# Altium PCB sla2216.PcbDoc (part 1 of 3)
Units mm, origin at the board's own origin, x right, y up, seen from the top; angles counter-clockwise.
Board outline 100 x 43.96 mm, 4 copper layers (Top Copper, Ground, Power, Bottom Copper), stack 1.57 mm thick; 249 components, 170 nets, 887 pads, 884 vias.
Unrouted connection lines stored in the file: 6.
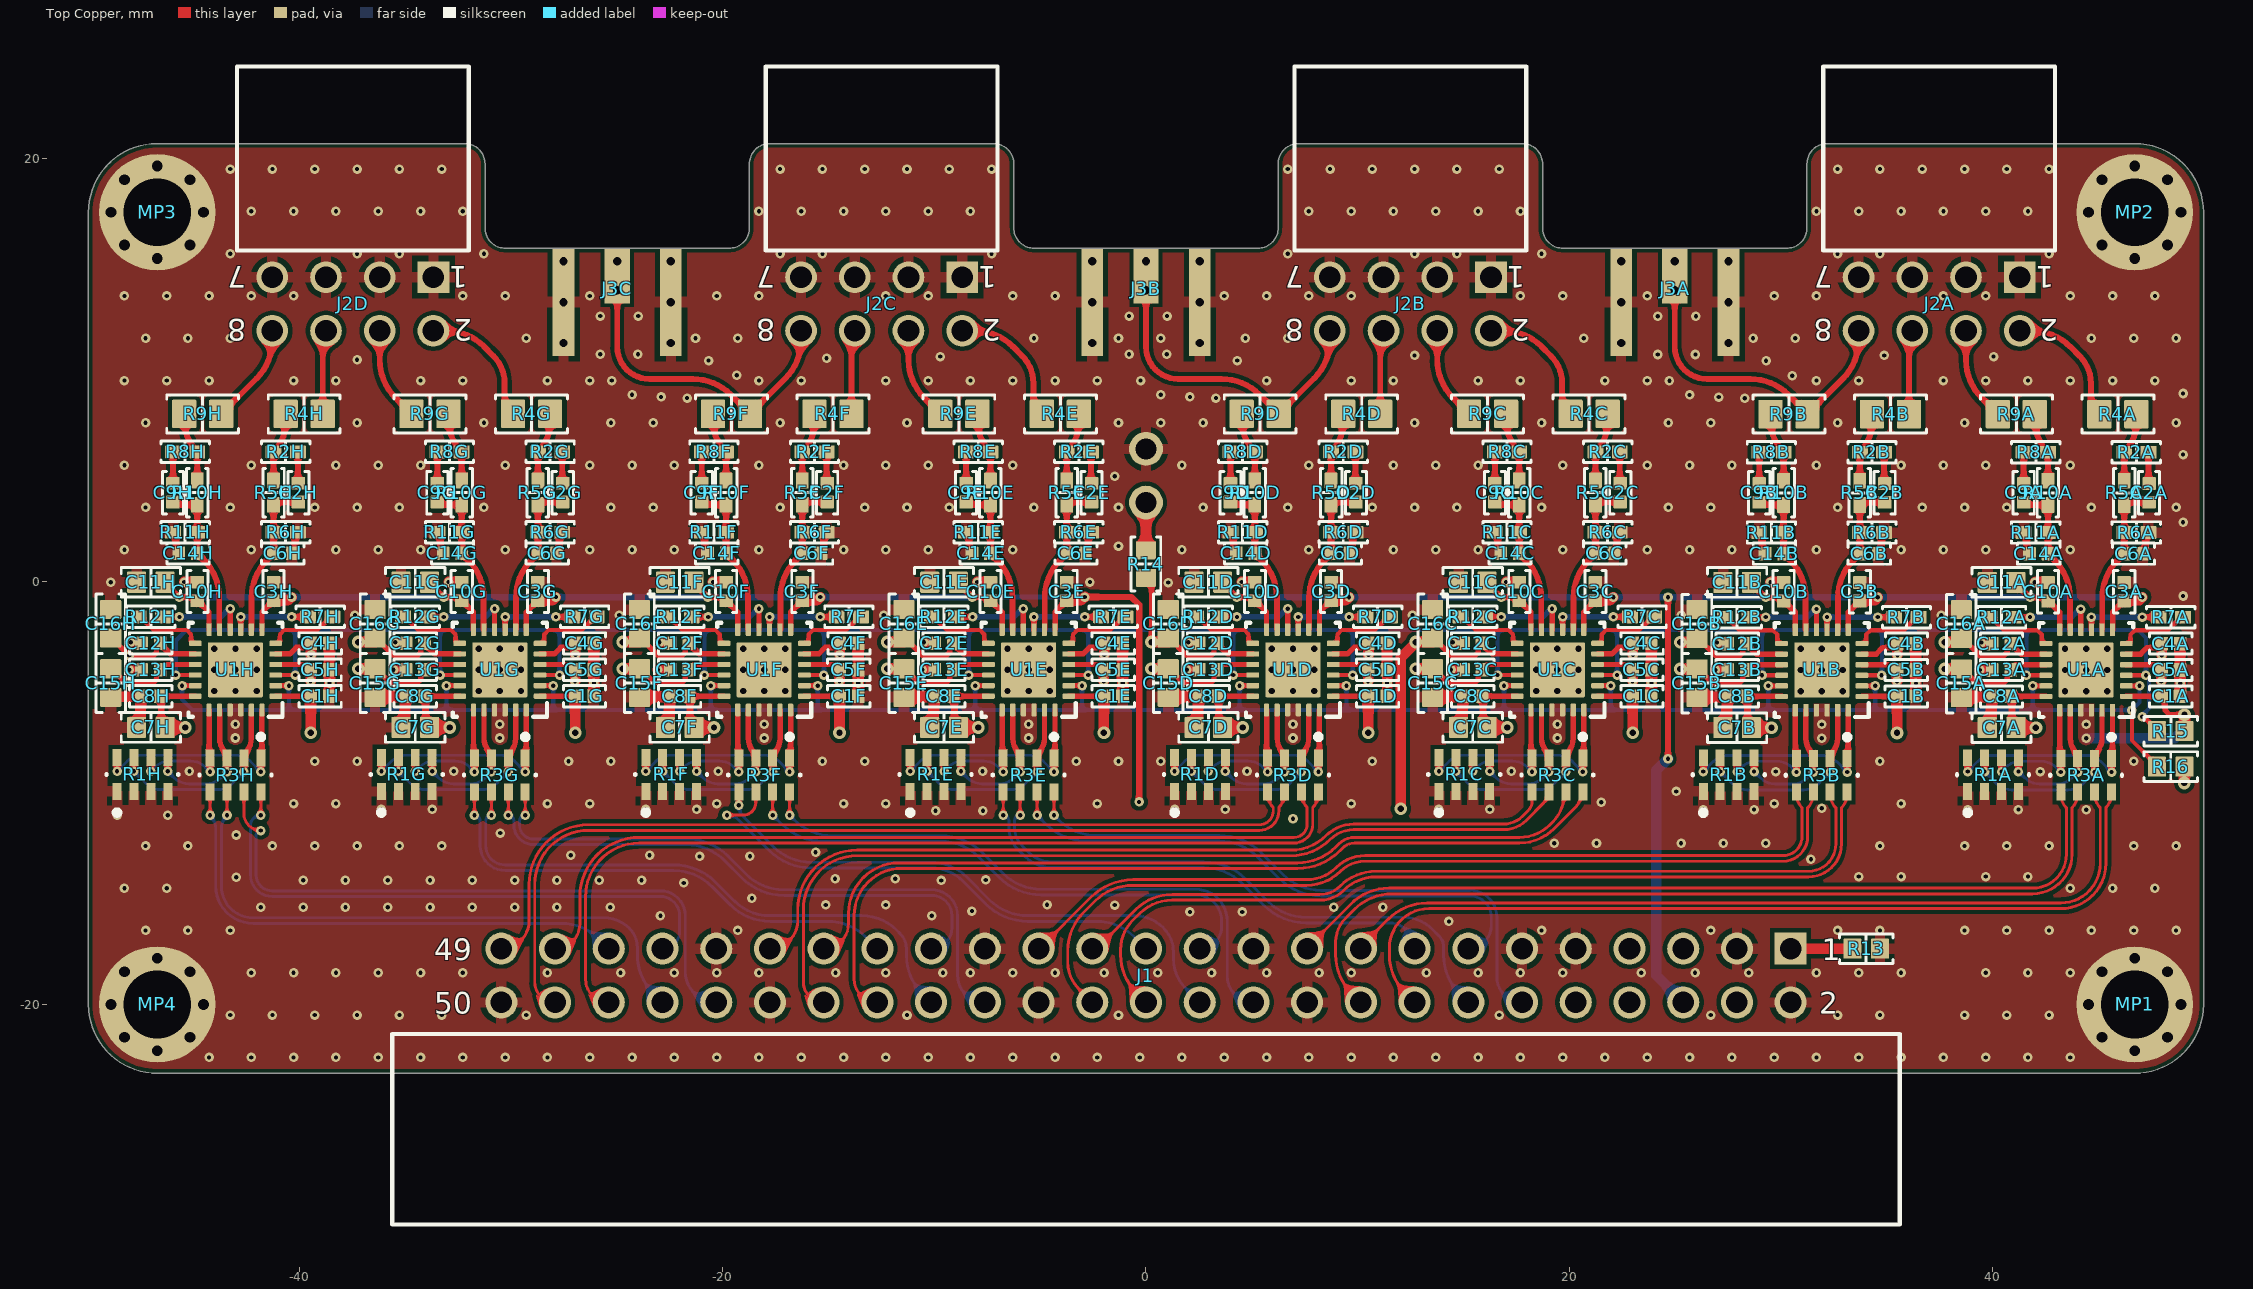
[diagram p0: Top Copper view]
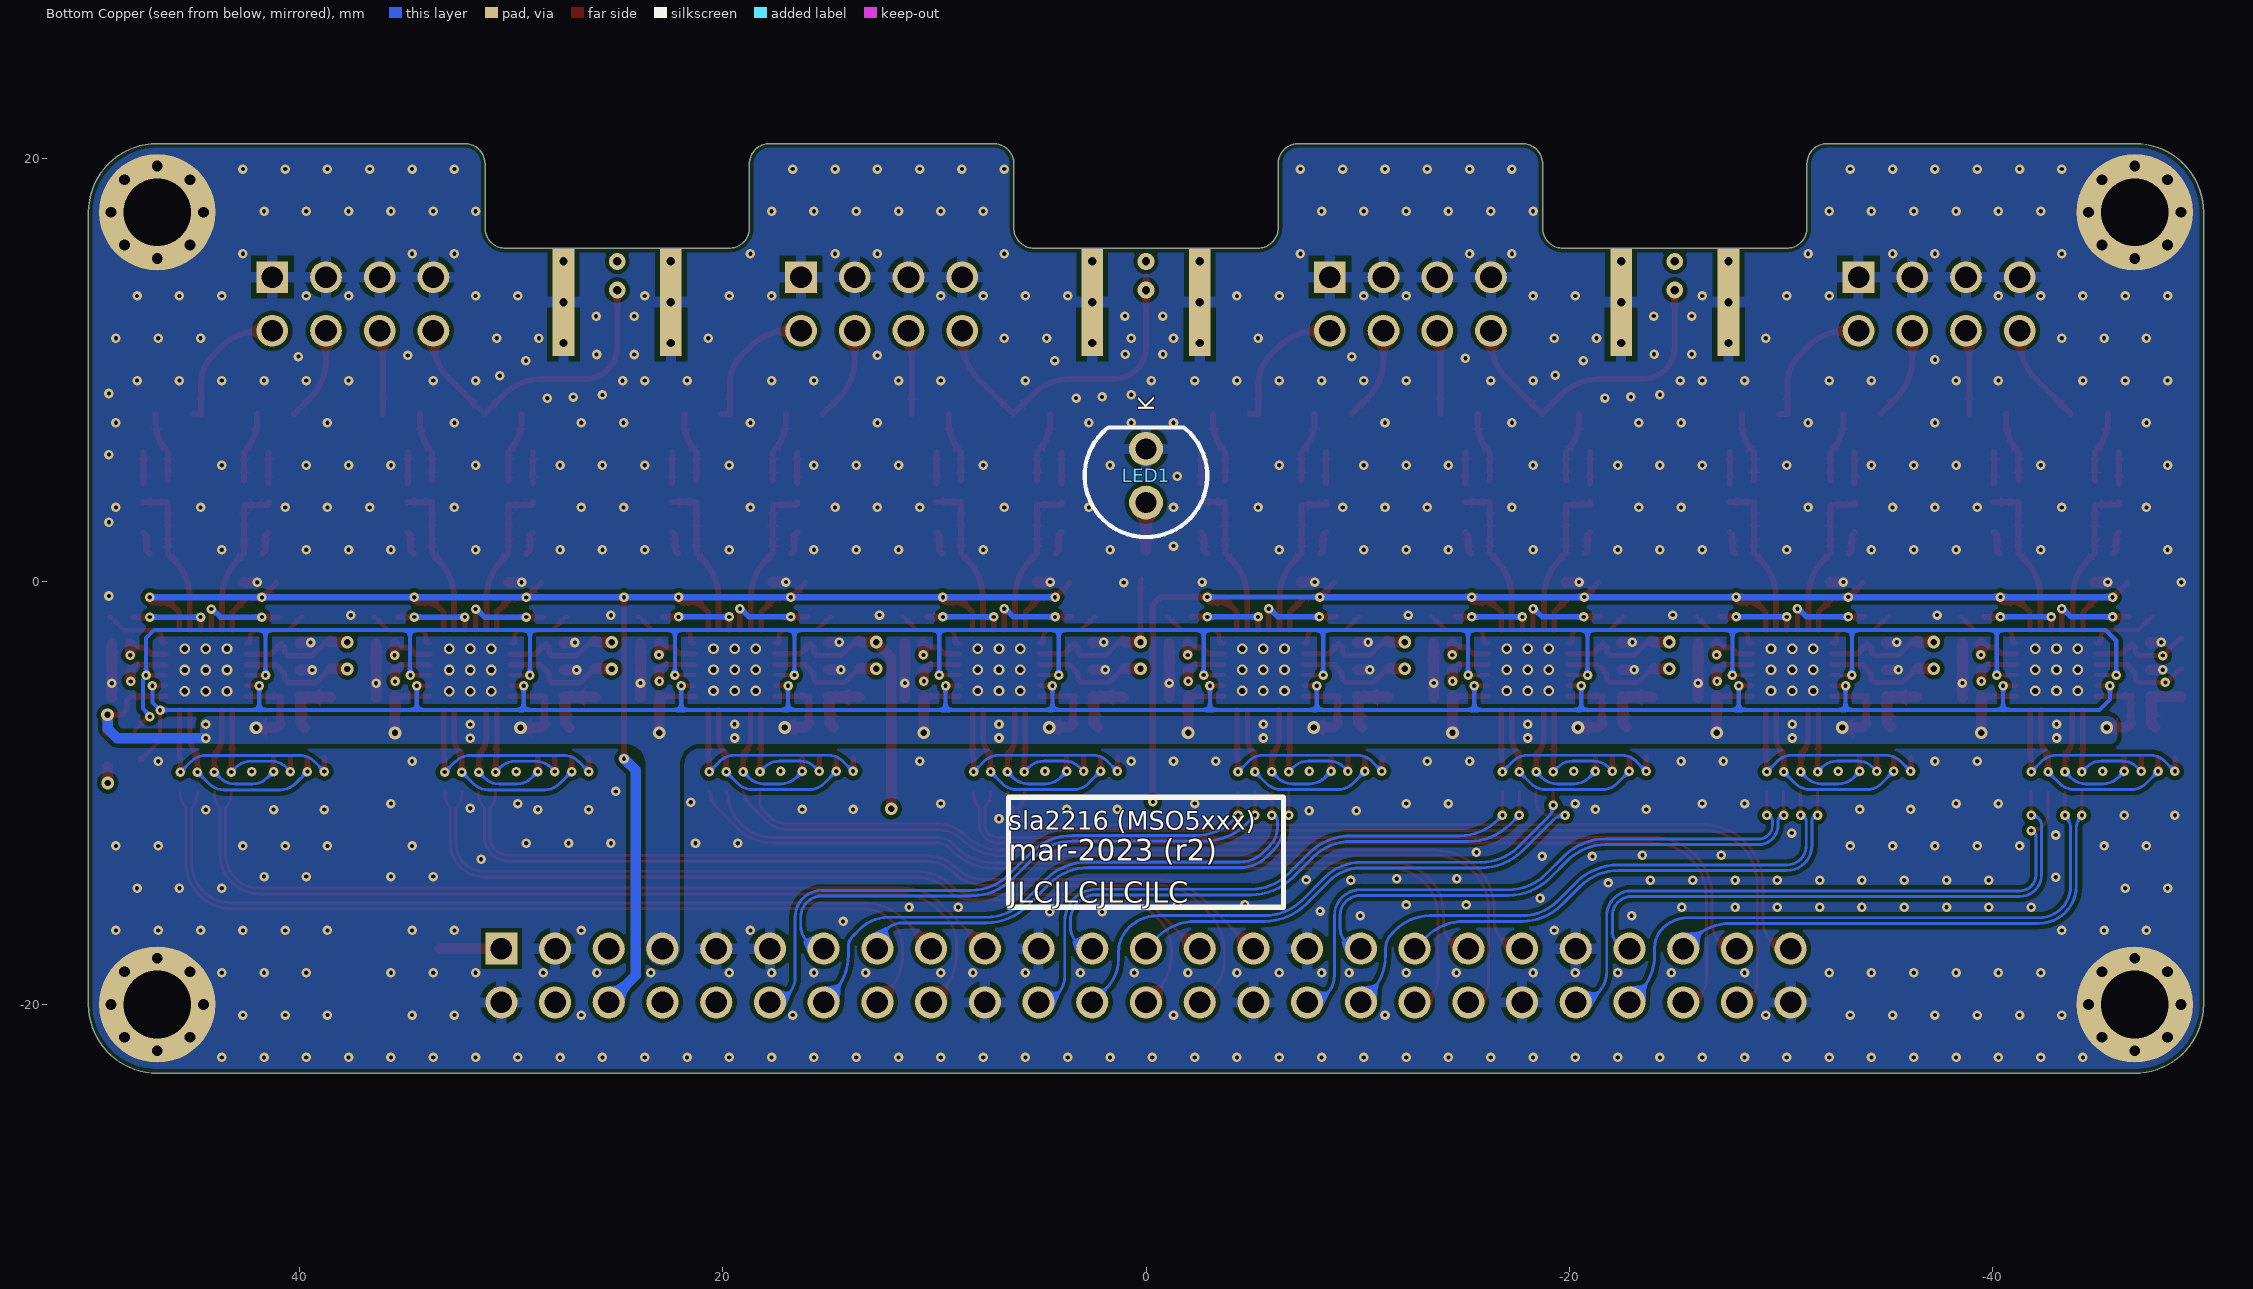
[diagram p1: Bottom Copper view, seen from below]
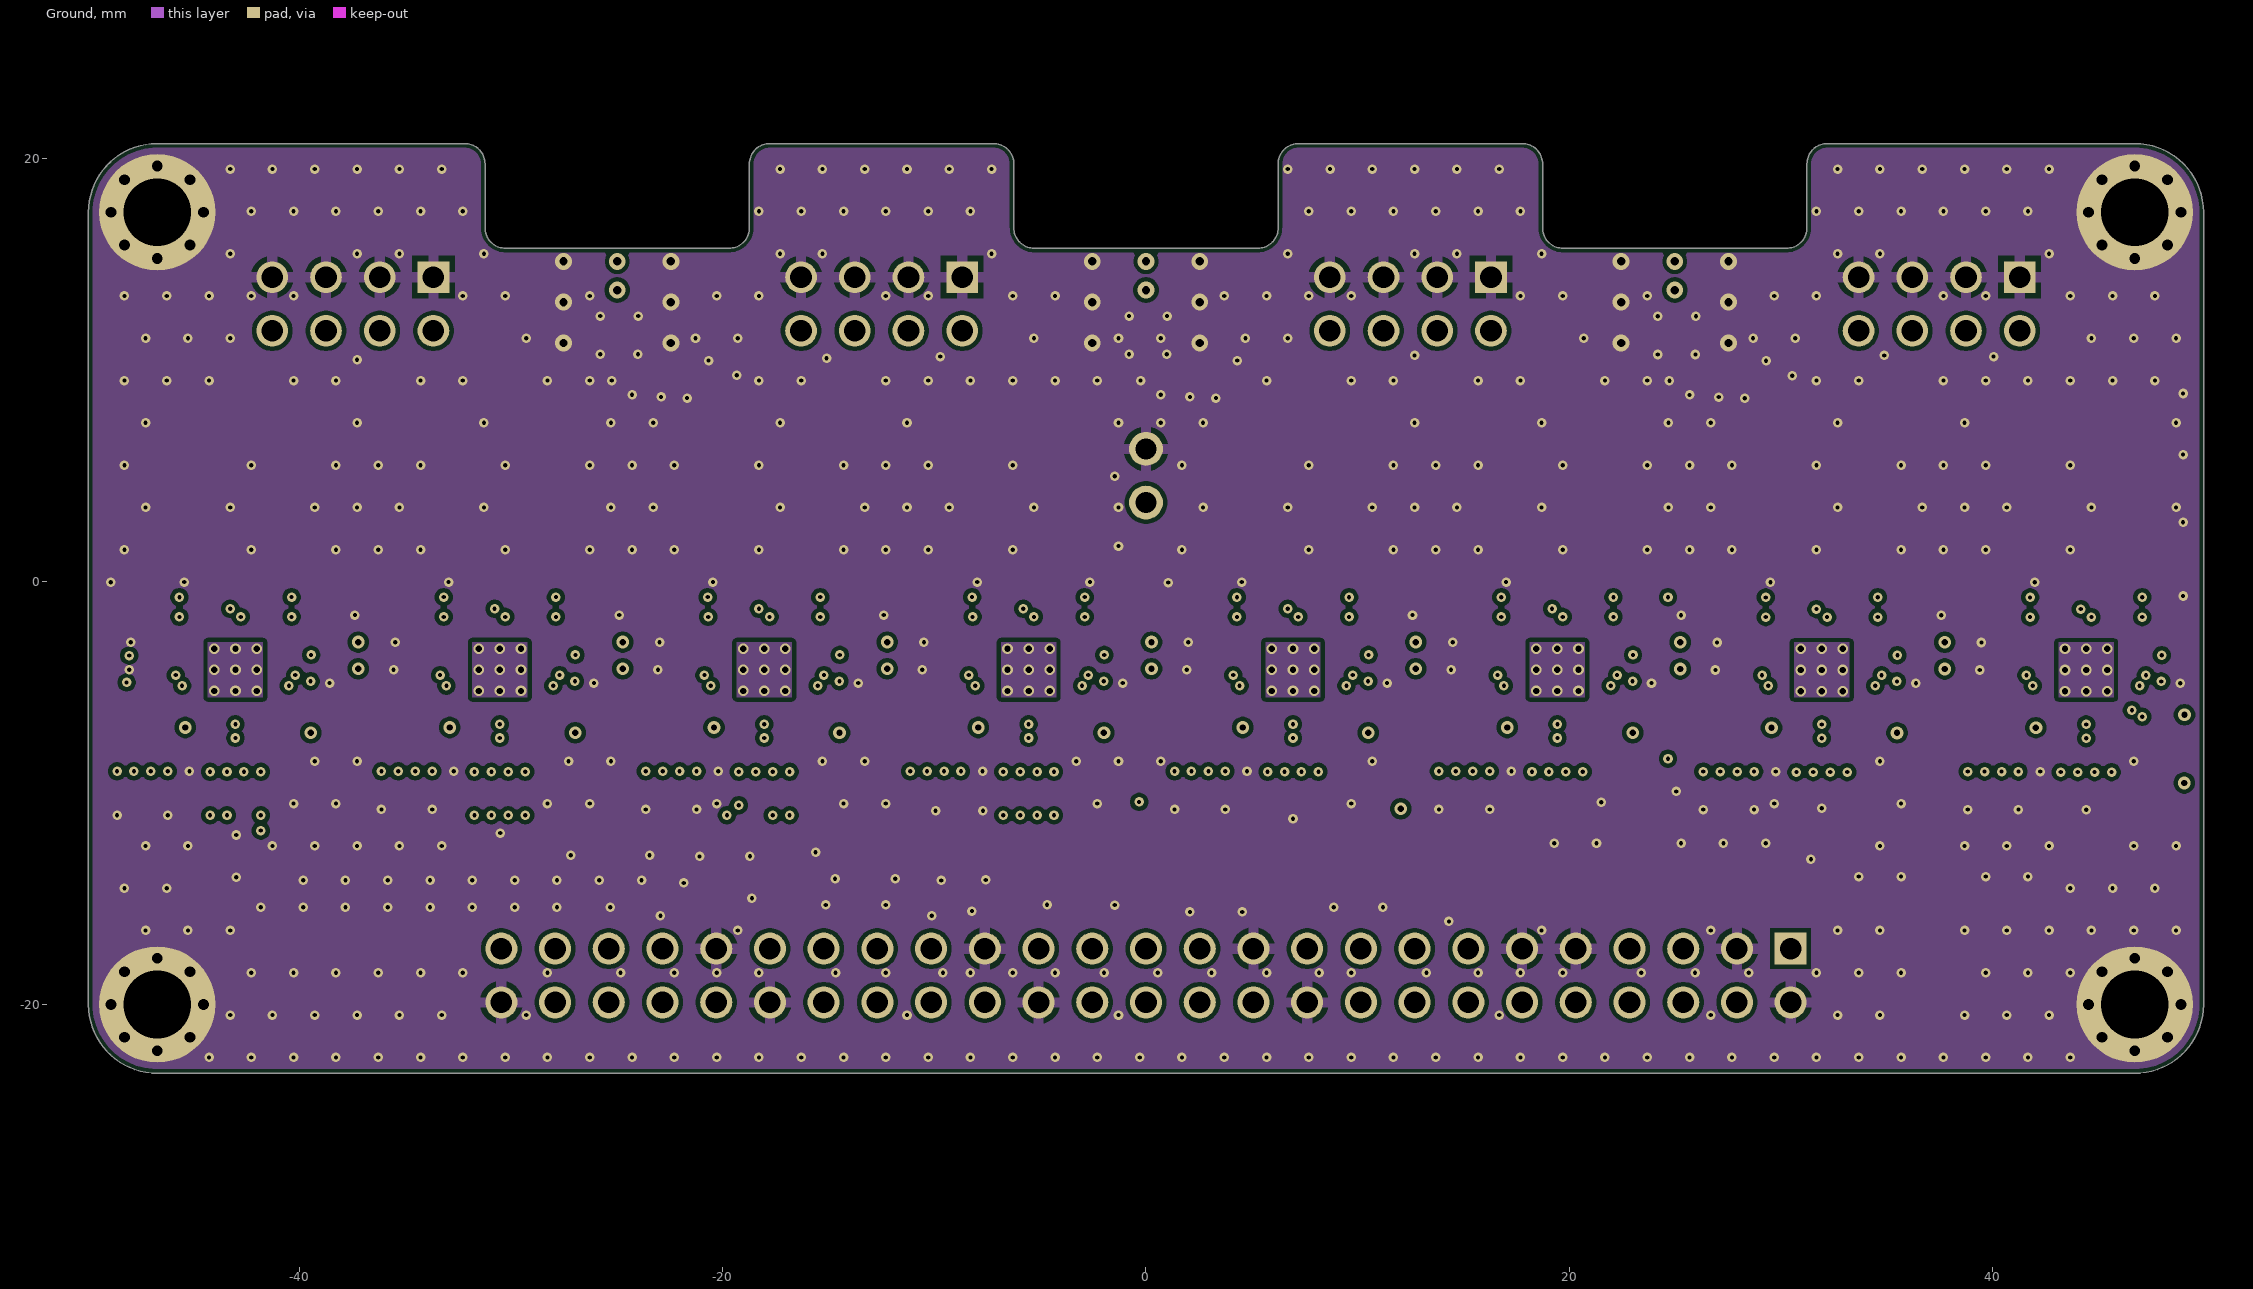
[diagram p2: Ground]
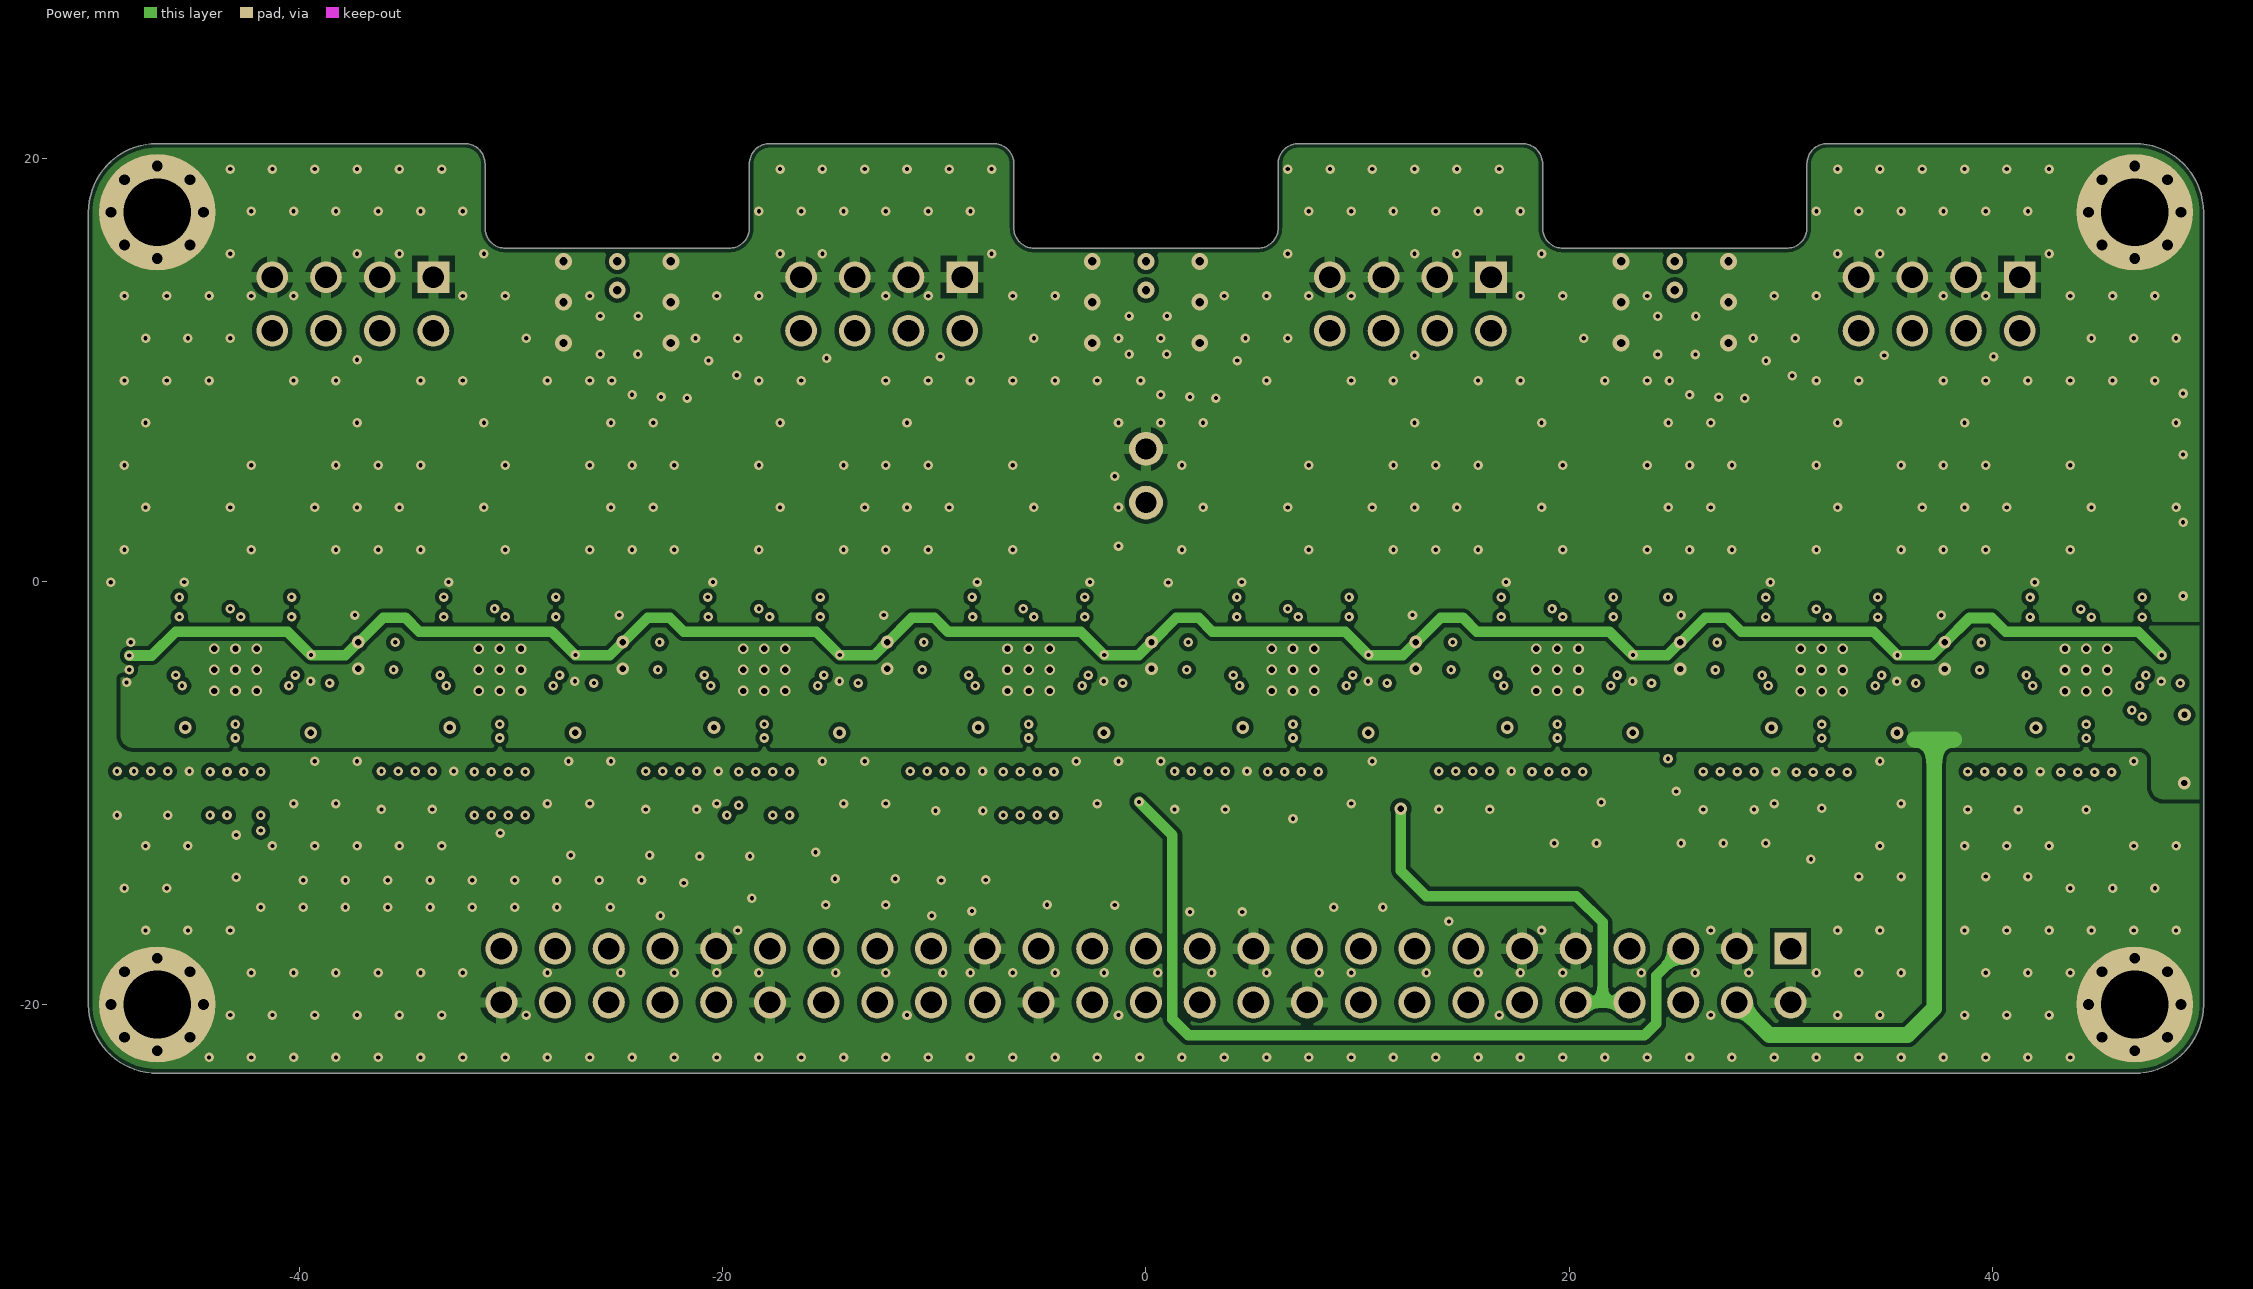
[diagram p3: Power]
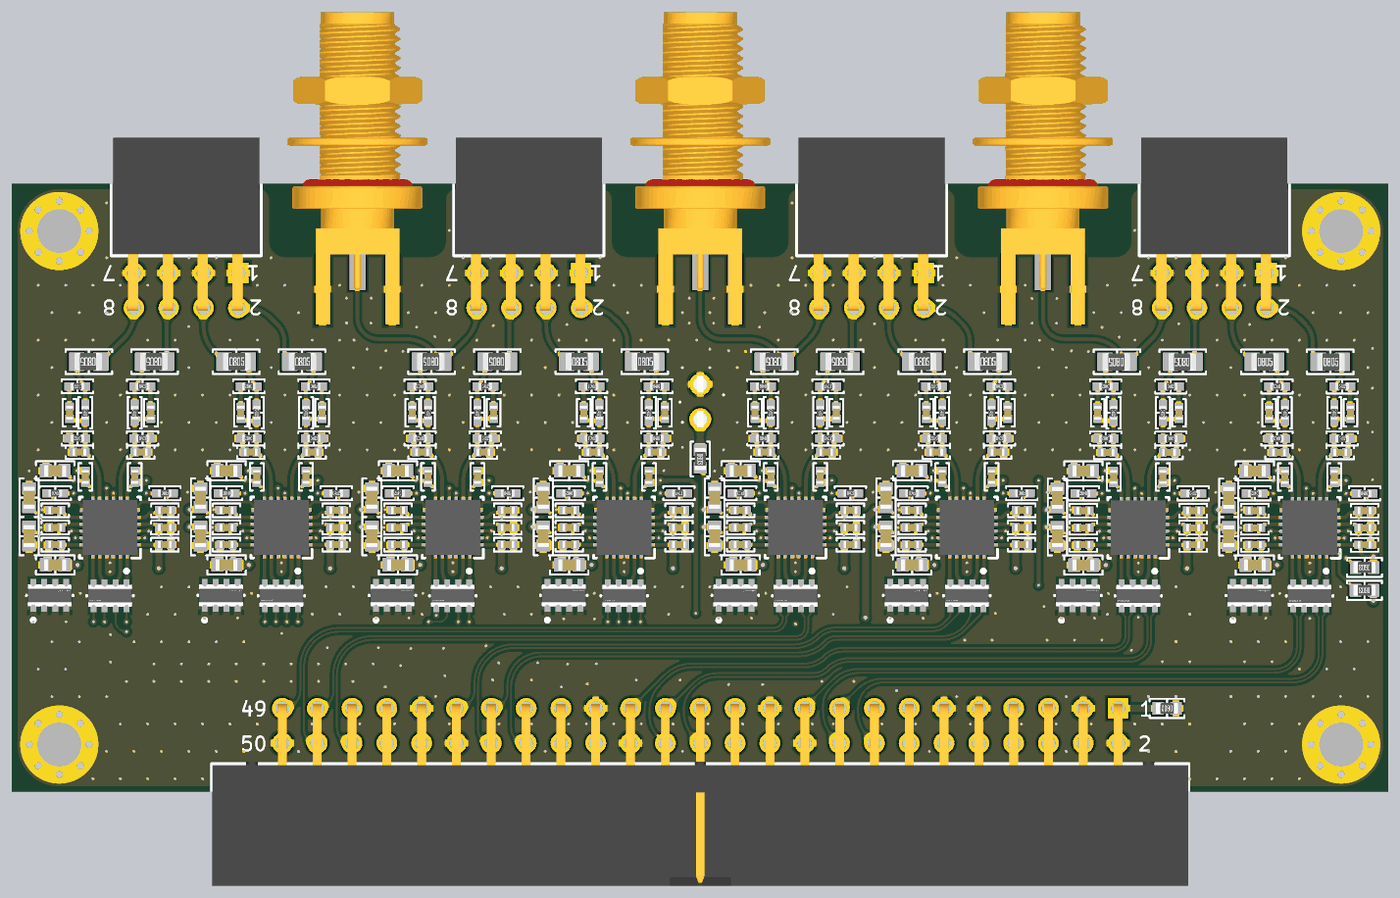
[diagram p6: 3D render of the assembled board from above, using the file's embedded part models]

## Layer stack, top to bottom
Top Mask: solder mask 0.015, Solder Resist, Dk 3.8
Top Copper: signal copper 0.035
Dielectric 1: prepreg 0.2, 7628, Dk 4.6
Ground: signal copper 0.0175
Core: core 1.065, FR-4, Dk 4.5
Power: signal copper 0.0175
Dielectric 2: prepreg 0.2, 7628, Dk 4.6
Bottom Copper: signal copper 0.035
Bottom Mask: solder mask 0.015, Solder Resist, Dk 3.8

## Board outline
-50,-20 ccw(c-46.75,-20) -46.75,-23.25 46.75,-23.25 ccw(c46.75,-20) 50,-20 50,17.455 ccw(c46.75,17.455) 46.75,20.705 32.212,20.705 ccw(c32.212,19.743) 31.25,19.743 31.25,16.717 cw(c30.288,16.717) 30.288,15.755 19.712,15.755 cw(c19.712,16.717) 18.75,16.717 18.75,19.743 ccw(c17.788,19.743) 17.788,20.705 7.212,20.705 ccw(c7.212,19.743) 6.25,19.743 6.25,16.717 cw(c5.288,16.717) 5.288,15.755 -5.288,15.755 cw(c-5.288,16.717) -6.25,16.717 -6.25,19.743 ccw(c-7.212,19.743) -7.212,20.705 -17.788,20.705 ccw(c-17.788,19.743) -18.75,19.743 -18.75,16.717 cw(c-19.712,16.717) -19.712,15.755 -30.288,15.755 cw(c-30.288,16.717) -31.25,16.717 -31.25,19.743 ccw(c-32.212,19.743) -32.212,20.705 -46.75,20.705 ccw(c-46.75,17.455) -50,17.455

## Design rules (kind name [scope] priority, off if disabled: settings)
BoardOutlineClearance [All] p1: gap=0.2 ignorepadtopadclearanceinfootprint=FALSE except(0.4: Arc-SplitBarrior Arc-SplitContinuation Track-SplitBarrior Track-SplitContinuation SMDPad-SplitBarrior SMDPad-SplitContinuation THPad-SplitBarrior THPad-SplitContinuation Via-SplitBarrior Via-SplitContinuation Fill-SplitBarrior Fill-SplitContinuation Poly-SplitBarrior Poly-SplitContinuation Region-SplitBarrior Region-SplitContinuation Text-SplitBarrior Text-SplitContinuation)
Clearance Clearance_RSPECL [InDifferentialPairClass('RSPECL') vs InDifferentialPairClass('RSPECL')] p1: gap=0 ignorepadtopadclearanceinfootprint=FALSE except(0.15: Arc-Arc Arc-Track Track-Track)
Clearance [All] p2: gap=0.2 ignorepadtopadclearanceinfootprint=FALSE except(0.105: Arc-Arc Arc-Track Arc-SMDPad Track-Track Track-SMDPad SMDPad-SMDPad; 0.127: Arc-Via Track-Via SMDPad-Via THPad-Via Via-Via; 0.254: Arc-Text Track-Text SMDPad-Text THPad-Text Via-Text Fill-Text Poly-Text Region-Text Text-Text)
DiffPairsRouting DiffPairsRouting_RSPECL [All] p1: maxlimit=0.127 minlimit=0.127 mostfreqgap=0.127 toplayer_minwidth=0.139 toplayer_maxwidth=0.139 toplayer_prefwidth=0.139 bottomlayer_minwidth=0.139 bottomlayer_maxwidth=0.139 bottomlayer_prefwidth=0.139 impedanceprofiledriven=TRUE impedanceprofileid={FF3BD652-9746-414C-A882-0372383B9B6C} impedanceprofilevalue=100.000000 maxuncoupledlength=12.7
DiffPairsRouting [All] p2: maxlimit=0.254 minlimit=0.254 mostfreqgap=0.254 toplayer_minwidth=0.381 toplayer_maxwidth=0.381 toplayer_prefwidth=0.381 midlayer1_minwidth=0.381 midlayer1_maxwidth=0.381 midlayer1_prefwidth=0.381 midlayer2_minwidth=0.381 midlayer2_maxwidth=0.381 midlayer2_prefwidth=0.381 bottomlayer_minwidth=0.381 bottomlayer_maxwidth=0.381 bottomlayer_prefwidth=0.381 maxuncoupledlength=12.7
HoleSize [All] p1: absolutevalues=TRUE maxlimit=6.3 minlimit=0.2 maxpercent=80.000 minpercent=20.000
MinimumAnnularRing [All] p1: minimumring=0.076
MinimumSolderMaskSliver [All] p1: minsoldermaskwidth=0.1
PolygonConnect PolygonConnect_1 [All] p1: thpad.connectstyle=Relief thpad.reliefconductorwidth=0.508 thpad.reliefentries=4 thpad.polygonreliefangle="90 Angle" thpad.airgapwidth=0.254 smdpad.connectstyle=Relief smdpad.reliefconductorwidth=0.508 smdpad.reliefentries=4 smdpad.polygonreliefangle="90 Angle" smdpad.airgapwidth=0.254 via.connectstyle=Direct via.reliefconductorwidth=0.508 via.reliefentries=4 via.polygonreliefangle="90 Angle" via.airgapwidth=0.254
RoomDefinition "Comparator channels 8/9" [InComponentClass('Comparator channels 8/9')] p1: confinementstyle=ConfineIn formatcopy=TRUE lockcomponents=FALSE outline -12.5,-11.45 0,-11.45 0,10.85 -12.5,10.85
RoomDefinition "Comparator channels 10/11" [InComponentClass('Comparator channels 10/11')] p2: confinementstyle=ConfineIn formatcopy=TRUE lockcomponents=FALSE outline -25,-11.45 -12.5,-11.45 -12.5,10.85 -25,10.85
RoomDefinition "Comparator channels 12/13" [InComponentClass('Comparator channels 12/13')] p3: confinementstyle=ConfineIn formatcopy=TRUE lockcomponents=FALSE outline -37.5,-11.45 -25,-11.45 -25,10.85 -37.5,10.85
RoomDefinition "Comparator channels 14/15" [InComponentClass('Comparator channels 14/15')] p4: confinementstyle=ConfineIn formatcopy=TRUE lockcomponents=FALSE outline -50,-11.45 -37.5,-11.45 -37.5,10.85 -50,10.85
RoomDefinition "Comparator channels 6/7" [InComponentClass('Comparator channels 6/7')] p5: confinementstyle=ConfineIn formatcopy=TRUE lockcomponents=FALSE outline 0,-11.45 12.5,-11.45 12.5,10.85 0,10.85
RoomDefinition "Comparator channels 4/5" [InComponentClass('Comparator channels 4/5')] p6: confinementstyle=ConfineIn formatcopy=TRUE lockcomponents=FALSE outline 12.5,-11.45 25,-11.45 25,10.85 12.5,10.85
RoomDefinition "Comparator channels 2/3" [InComponentClass('Comparator channels 2/3')] p7: confinementstyle=ConfineIn formatcopy=TRUE lockcomponents=FALSE outline 25,-11.46 37.5,-11.46 37.5,10.84 25,10.84
RoomDefinition "Comparator channels 0/1" [InComponentClass('Comparator channels 0/1')] p8: confinementstyle=ConfineIn formatcopy=TRUE lockcomponents=FALSE outline 37.5,-11.46 50,-11.46 50,10.84 37.5,10.84
RoutingCorners [All] p1: cornerstyle=Round minsetback=2.54 maxsetback=2.54
RoutingLayers [All] p1: top layer_v5=TRUE mid layer 1_v5=FALSE mid layer 2_v5=TRUE bottom layer_v5=TRUE
RoutingVias [All] p1: holewidth=0.5 width=1 viastyle="Through Hole" minholewidth=0.2 minwidth=0.45 maxholewidth=1 maxwidth=2 useviatemplates=TRUE viatemplateguid#1={40189BF4-BD51-4B2B-908E-D13F37E7AA01} viatemplateguid#2={262AF818-CC39-4F5A-8A8C-FAAE31F5E8DC} viatemplatename#1=v45h20m0mx0 viatemplatename#2=v60h30m0mx0
SilkToSilkClearance [All] p1: silktosilkclearance=0.1
SilkToSolderMaskClearance [IsPad] p1: minsilkscreentomaskgap=0.1 clearancetoexposedcopper=TRUE
SolderMaskExpansion [All] p1: expansion=0.102 istentingtop=FALSE
Width Width_50R [InNetClass('50_OHM')] p1: maxlimit=0.277 minlimit=0.249 preferedwidth=0.277 toplayer_minwidth=0.277 bottomlayer_minwidth=0.277 impedanceprofiledriven=TRUE impedanceprofileid={6E17C8CF-0B99-4212-A295-14FF774BF211} impedanceprofilevalue=50.000000 minimp=50.000000 maximp=50.000000 favimp=50.000000
Width [All] p2: maxlimit=2.54 minlimit=0.089 preferedwidth=0.381